# Allegro board A527_draft_V1_0.brd (continued)
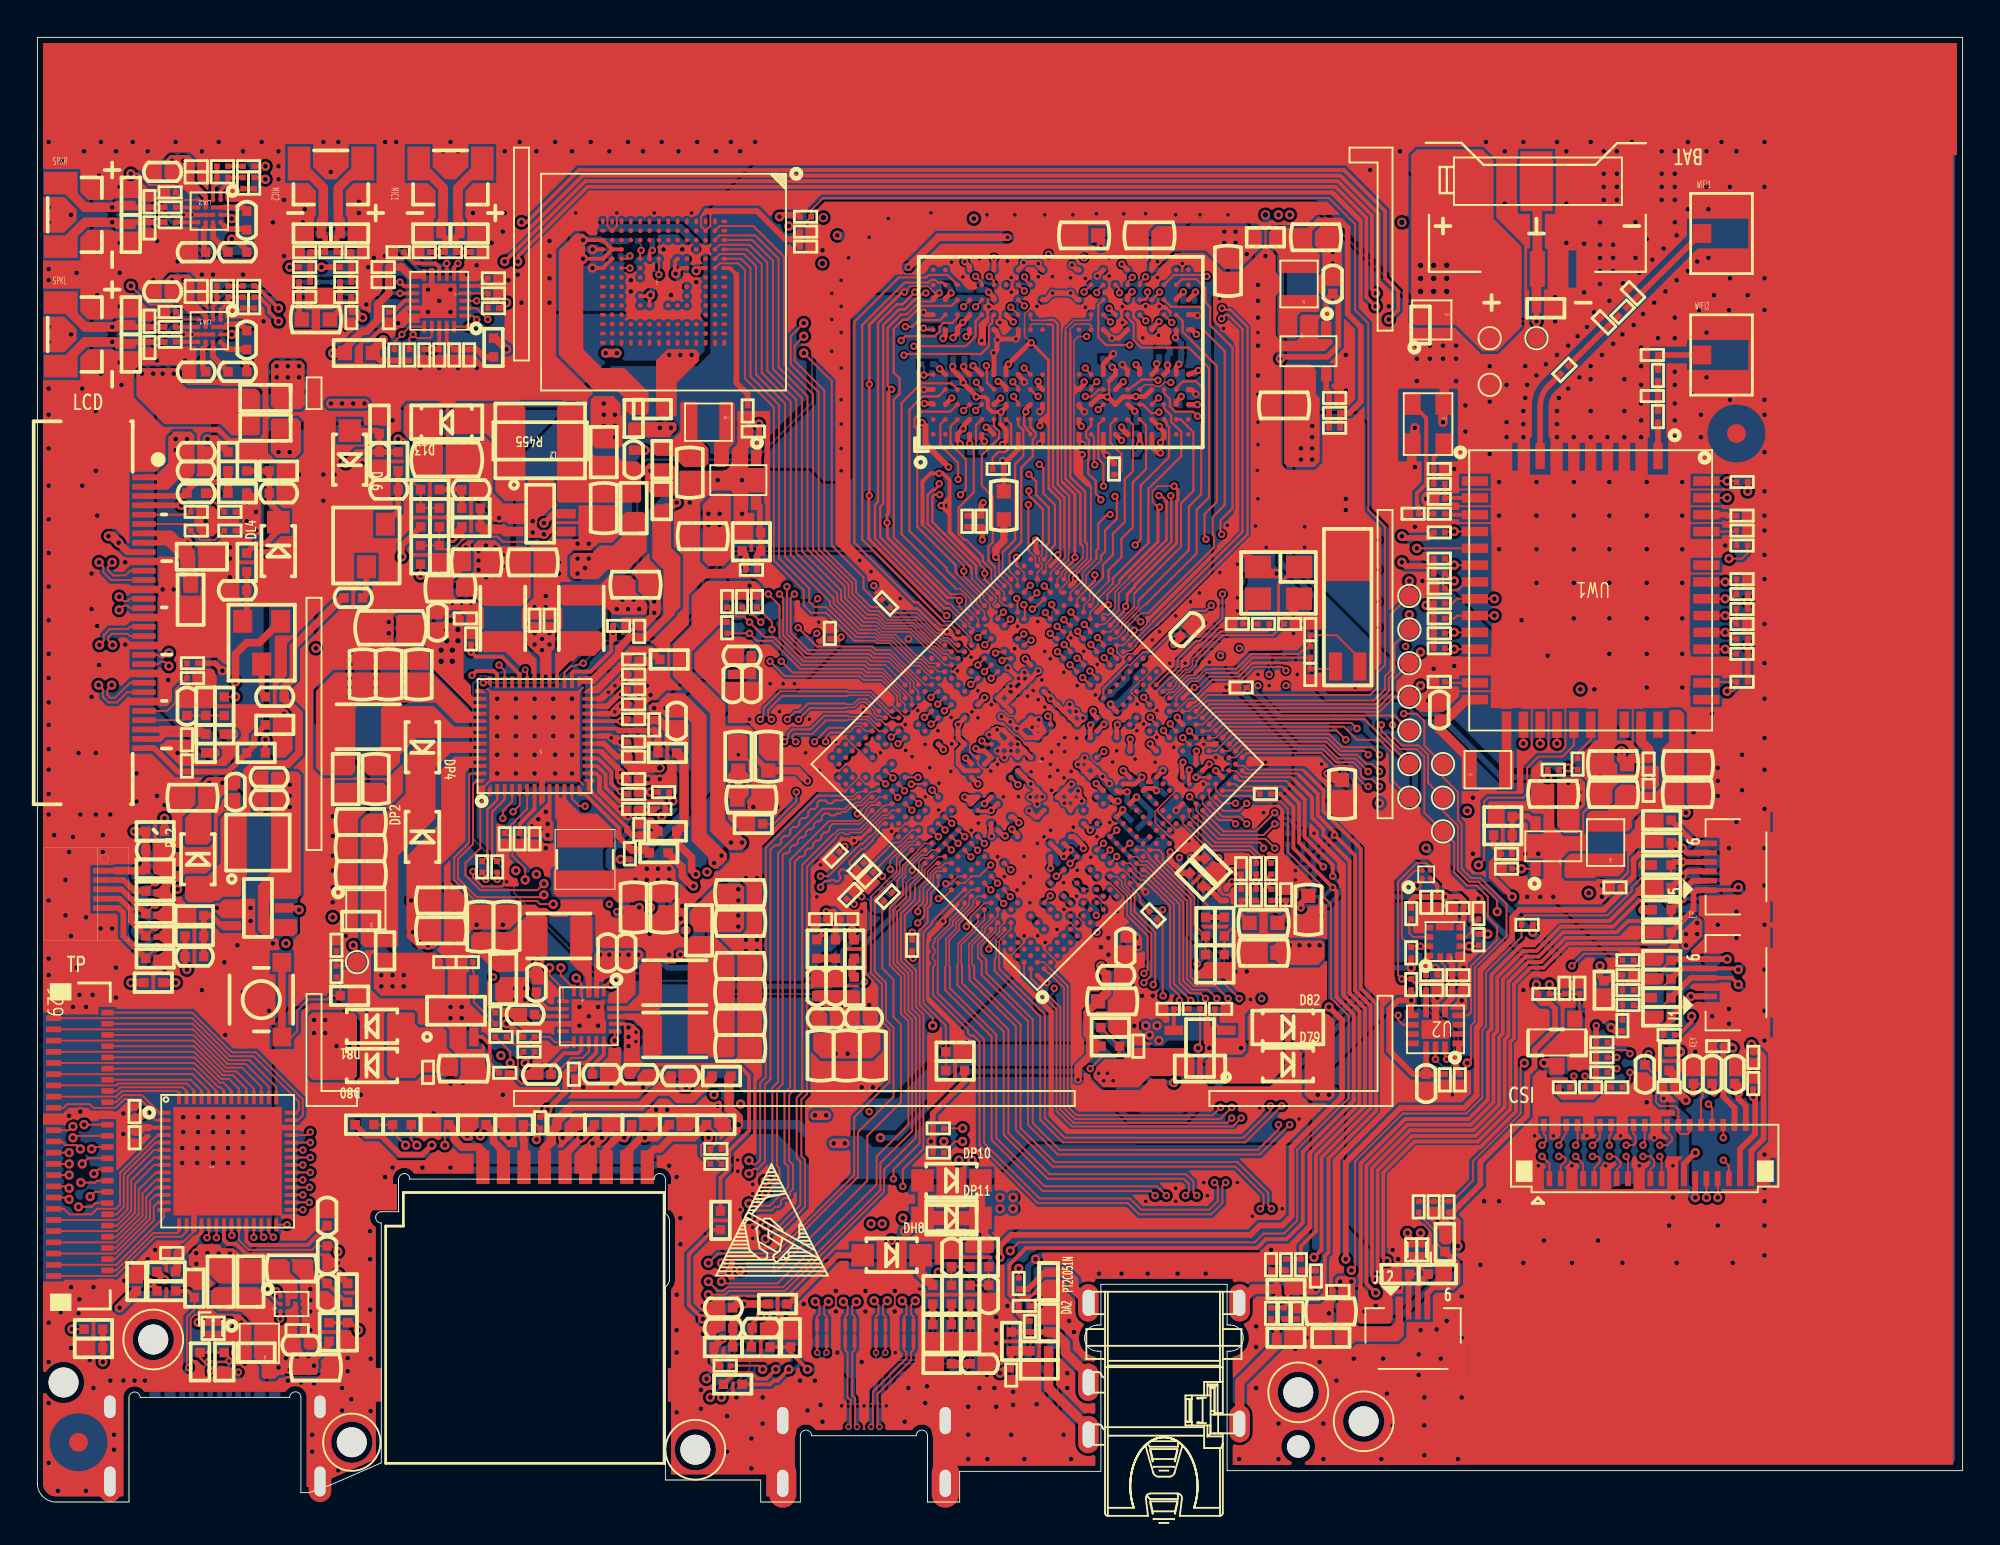
[diagram p0: board, top side]
## Routing (per net, layer and track width the routed paths; a pad name or vN(x,y) marks a point on that pad's centre or on a via; arc(x,y) is an arc through that point) (continued)
MCSI-RST-R: length 47.7
  TOP w0.1: v1(89.4,21.3) 89.6,21.1 89.6,20.19 JV1.32 ; v1(85.2,23) 85.2,22.6 RV4.2 ; U1.B1 54.09,28.3 54.15,28.3 54.93,27.52 54.93,21.09 55.52,20.5 63.27,20.5 v1(63.9,21.13)
  ART04 w0.1: v1(63.9,21.13) 65.57,22.8 81,22.8 81.7,23.5 83.6,23.5 84.3,22.8 85,22.8 v1(85.2,23) 85.6,22.6 89,22.6 89.3,22.3 89.3,21.4 v1(89.4,21.3)
MCSI-SCK: length 46.8
  TOP w0.1: v1(90.2,19.5) 90.19,19.51 JV1.34 ; RV6.2 v1(84.5,23.8) ; v1(54.19,32.45) 53.85,32.11 U1.G6
  ART04 w0.1: v1(90.2,19.5) 90.2,22.2 89.4,23 86.1,23 85.5,23.6 84.7,23.6 v1(84.5,23.8) 84.2,24.1 65.4,24.1 63.8,25.7 60.6,25.7 60.4,25.9 57.7,25.9 55.39,28.21 55.39,31.81 54.75,32.45 v1(54.19,32.45)
MCSI-SDA: length 50.4
  TOP w0.1: v1(90.2,18.3) 90.49,18.01 JV1.35 ; RV7.2 84.4,24.2 85,24.2 v1(85.2,24)
  TOP w0.114: U1.L7 54.57,33.5 v1(54.51,33.5)
  ART04 w0.1: v1(54.51,33.5) 54.51,32.99 55.61,31.89 55.61,28.29 57.8,26.1 60.48,26.1 60.68,25.9 63.91,25.9 65.51,24.3 84.9,24.3 v1(85.2,24) 85.4,24 86.19,23.21 89.49,23.21 90.4,22.3 90.4,20.1 90.7,19.8 90.7,18.8 v1(90.2,18.3)
MCSI-STBY-F: length 48.5
  TOP w0.1: U1.A3 52.79,28.11 54.53,26.37 54.53,20.93 55.35,20.1 63.95,20.1 v1(64.4,20.55) ; JV1.30 89,20.19 89,21.6 89.1,21.7 89.1,22.2 88.9,22.4 CV8.1 ; RV3.2 82.2,22.4 v1(82.2,22.8)
  TOP w0.3: v1(88.6,21.9) CV8.1
  ART04 w0.1: v1(88.6,21.9) 88.3,22.2 82.8,22.2 v1(82.2,22.8) 81.6,22.8 81.2,22.4 66.1,22.4 64.4,20.7 v1(64.4,20.55)
MCSI-STBY-R: length 53.7
  TOP w0.076: 54.15,28.6 53.85,28.89 U1.B2
  TOP w0.1: JV1.33 89.89,17.21 89.9,17.2 v2(89.9,16.3) ; v1(63.3,21.13) 62.87,20.7 55.6,20.7 55.13,21.17 55.13,27.62 54.15,28.6 ; v1(84.5,23.2) 84.2,23.2 RV5.2
  TOP w0.3: CV9.1 89.7,22.3 v1(89.7,21.9)
  ART04 w0.1: v2(89.9,16.3) 89.6,16.6 89.6,20.6 89.8,20.8 89.8,21.8 v1(89.7,21.9) 89.7,22.3 89.2,22.8 86,22.8 85.4,23.4 84.7,23.4 v1(84.5,23.2) 84,23.7 81.6,23.7 80.9,23 65.17,23 v1(63.3,21.13)
MCSIA-CKN: length 52.9
  TOP w0.076: 49.22,28.73 49.22,28.75 49.26,28.79 49.26,29.89 50.04,30.67 50.04,30.77 50.32,31.05 U1.A10
  TOP w0.1: 49.22,28.73 49.22,27.67 51.7,25.19 51.7,19.65 54.05,17.3 61.35,17.3 61.6,17.05 61.6,16.58 v1(61.43,16.41) ; JV1.14 84.19,19.69 84.1,19.6 v1(84.1,19.1)
  ART04 w0.1: v1(61.43,16.41) 62.08,15.75 64.75,15.75 65.25,16.25 75.22,16.25 76.27,15.2 82.5,15.2 84.55,17.25 84.55,18.65 v1(84.1,19.1)
MCSIA-CKP: length 53
  TOP w0.076: 49.47,28.73 49.47,28.75 49.43,28.79 49.43,29.83 50.2,30.6 50.2,30.7 50.67,31.17 U1.B10
  TOP w0.1: JV1.15 84.49,17.79 84.7,18 84.7,18.2 84.4,18.5 v1(84.1,18.5) ; v1(62.03,16.41) 61.85,16.58 61.85,17.15 61.45,17.55 54.15,17.55 51.95,19.75 51.95,25.29 49.47,27.77 49.47,28.73
  ART04 w0.1: v1(84.1,18.5) 84.3,18.3 84.3,17.35 84.16,17.21 84.01,17.21 83.87,17.07 83.87,16.93 83.35,16.4 83.2,16.4 83.06,16.26 83.06,16.11 82.92,15.97 82.77,15.97 82.63,15.83 82.63,15.68 82.4,15.45 79.18,15.45 79.03,15.6 78.83,15.6 78.68,15.45 78.48,15.45 78.33,15.6 78.13,15.6 77.98,15.45 77.78,15.45 77.63,15.6 77.43,15.6 77.28,15.45 77.08,15.45 76.93,15.6 76.73,15.6 76.58,15.45 76.37,15.45 75.32,16.5 65.15,16.5 64.65,16 62.18,16 62.03,16.16 v1(62.03,16.41)
MCSIA-D0N: length 55.5
  TOP w0.076: 49.61,32.08 49.61,31.95 48.81,31.15 48.81,30.94 48.01,30.14 48.01,29.98 47.9,29.88 47.9,29.68 48.01,29.57 48.01,29.38 47.9,29.27 47.9,29.07 48.01,28.96 48.01,28.89 48.01,28.7 47.94,28.63 47.93,28.63 47.92,28.63 47.92,28.62
  TOP w0.1: v1(83.2,18.5) 83.48,18.5 83.58,18.4 83.58,18.18 83.29,17.89 JV1.11 ; 47.92,28.62 47.92,27.13 49.79,25.26 49.79,25.11 49.93,24.97 50.08,24.97 50.4,24.65 50.4,19.11 53.51,16 58.35,16 58.95,15.4 62.8,15.4 63.4,16 63.4,16.93 v1(63.58,17.1)
  ART04 w0.1: v1(83.2,18.5) 83.2,17.35 82.56,16.72 82.42,16.72 82.29,16.85 82.11,16.85 82.01,16.75 82.01,16.56 82.14,16.43 82.14,16.29 82,16.15 81.8,16.15 81.65,16.3 81.5,16.3 81.35,16.15 79.46,16.15 78.41,17.2 64.95,17.2 64.45,16.7 63.73,16.7 63.58,16.86 v1(63.58,17.1)
MCSIA-D0P: length 55.5
  TOP w0.076: 48.17,28.62 48.17,28.8 48.17,30.07 48.97,30.87 48.97,31.08 49.86,31.97 49.86,32.32 U1.B12
  TOP w0.1: JV1.12 83.59,19.49 v1(83.2,19.1) ; v1(62.98,17.1) 63.15,16.93 63.15,16.1 62.7,15.65 59.05,15.65 58.45,16.25 53.61,16.25 50.65,19.21 50.65,24.75 48.17,27.23 48.17,28.62
  ART04 w0.1: v1(83.2,19.1) 83.5,18.8 83.6,18.5 83.6,18.3 83.45,18.15 83.45,17.25 82.1,15.9 79.36,15.9 78.31,16.95 65.05,16.95 64.55,16.45 63.63,16.45 v1(62.98,17.1)
MCSIA-D1N: length 51.8
  TOP w0.076: U1.B11 50.32,31.96 49.3,30.94 49.3,30.6 48.78,30.07 48.78,28.69 48.82,28.65 48.82,28.63
  TOP w0.1: v1(82.3,19.1) 82.4,19.2 82.4,20.18 JV1.8 ; 48.82,28.63 48.82,27.5 51.3,25.02 51.3,19.48 53.88,16.9 59.9,16.9 v1(60.4,16.4)
  ART04 w0.1: v1(82.3,19.1) 82.7,18.7 82.7,18.45 82.75,18.4 82.75,17.55 82.45,17.25 81.8,17.25 81.15,16.6 79.65,16.6 78.6,17.65 60.9,17.65 60.23,16.97 60.23,16.57 v1(60.4,16.4)
MCSIA-D1P: length 51.8
  TOP w0.076: 48.57,28.63 48.57,28.65 48.61,28.69 48.61,30.14 49.14,30.67 49.14,31.01 50.06,31.93 50.06,32.17 50.32,32.43 U1.C11
  TOP w0.1: 48.57,28.63 48.57,27.4 51.05,24.92 51.05,19.38 53.78,16.65 59.55,16.65 v1(59.8,16.4) ; v1(82.3,18.5) 82.69,18.11 JV1.9
  ART04 w0.1: v1(59.8,16.4) 59.98,16.57 59.98,17.08 60.8,17.9 78.7,17.9 79.75,16.85 81.05,16.85 81.7,17.5 82.35,17.5 82.5,17.65 82.5,18.3 v1(82.3,18.5)
MCSIB-D0N: length 43.7
  TOP w0.1: v1(81.4,18.5) 81.66,18.5 81.76,18.4 81.76,18.26 81.49,17.99 JV1.5 ; U1.E12 51.37,33.15 v1(51.37,33.12)
  ART04 w0.1: v1(81.4,18.5) 81.4,18.25 81.24,18.1 81.1,18.1 81.02,18.18 80.88,18.18 80.74,18.04 80.74,17.89 80.82,17.81 80.82,17.67 80.7,17.55 80.05,17.55 79.8,17.8 79.8,17.94 79.86,18 79.86,18.14 79.72,18.28 79.58,18.28 79.52,18.22 79.38,18.22 78.95,18.65 62.35,18.65 59.25,21.75 59.25,22.85 57.8,24.3 55.45,24.3 51.6,28.15 51.6,30.6 51.05,31.15 51.05,31.5 51.2,31.65 51.2,31.8 51.05,31.95 51.05,32.2 51.37,32.51 v1(51.37,33.12)
MCSIB-D0P: length 43.7
  TOP w0.1: v1(81.4,19.1) 81.79,19.79 JV1.6 ; U1.D12 50.67,33.1 v1(51.01,32.76)
  ART04 w0.1: v1(81.4,19.1) 81.8,18.7 81.8,18.3 80.8,17.3 79.95,17.3 78.85,18.4 62.25,18.4 59,21.65 59,22.75 57.7,24.05 55.35,24.05 51.35,28.05 51.35,30.5 50.8,31.05 50.8,32.3 51.01,32.51 v1(51.01,32.76)
MCSIB-D1N: length 38.9
  TOP w0.1: U1.E10 51.73,32.72 v1(52.05,32.4) ; JV1.2 80.59,19.71 80.7,19.6 80.7,19.3 v1(80.5,19.1)
  ART04 w0.1: v1(52.05,32.4) 52.05,32.04 52.3,31.8 52.3,31.6 52.4,31.5 52.4,31.2 52.3,31.1 52.3,30.8 52.4,30.7 52.4,30.4 52.3,30.3 52.3,28.45 55.8,24.95 58.25,24.95 59.9,23.3 59.9,22.15 62.7,19.35 79.45,19.35 79.98,18.82 80.23,18.82 v1(80.5,19.1)
MCSIB-D1P: length 38.9
  TOP w0.1: v1(51.7,32.04) 51.38,32.36 U1.D10 ; v1(80.5,18.5) 80.9,18.1 80.9,17.31 JV1.3
  ART04 w0.1: v1(51.7,32.04) 52.05,31.7 52.05,28.35 55.7,24.7 58.15,24.7 59.65,23.2 59.65,22.05 62.6,19.1 79.35,19.1 79.87,18.57 80.43,18.57 v1(80.5,18.5)
MCSIC-CKN: length 50.2
  TOP w0.076: 51.21,29.06 51.21,29.07 51.22,29.08 51.24,29.08 51.3,29.14 51.3,30.04 51.3,30.13 51.73,30.56 U1.B7
  TOP w0.1: 51.21,29.06 51.21,28.44 53.65,26 53.65,20.46 54.86,19.25 64.62,19.25 v1(66.58,21.21) ; v1(86.8,18.5) 86.89,18.41 JV1.23
  ART04 w0.1: v1(66.58,21.21) 66.73,21.05 67,21.05 67.15,21.2 67.85,21.2 68,21.05 85.3,21.05 85.95,20.4 86.85,20.4 87.5,19.75 87.5,18.99 87.2,18.69 86.99,18.69 v1(86.8,18.5)
MCSIC-CKP: length 50.2
  TOP w0.076: U1.C7 52.09,30.66 51.46,30.04 51.46,29.06
  TOP w0.1: v1(65.98,21.21) 65.98,20.96 64.52,19.5 54.96,19.5 53.9,20.56 53.9,26.1 51.46,28.54 51.46,29.06 ; JV1.24 87.19,19.81 87.45,19.55 87.45,19.35 87.2,19.1 v1(86.8,19.1)
  ART04 w0.1: v1(65.98,21.21) 66.38,20.8 67.1,20.8 67.25,20.95 67.75,20.95 67.9,20.8 85.2,20.8 85.85,20.15 85.97,20.15 86.07,20.05 86.07,20 86.17,19.9 86.37,19.9 86.47,20 86.47,20.05 86.57,20.15 86.75,20.15 87.25,19.65 87.25,19.1 87.1,18.94 86.96,18.94 v1(86.8,19.1)
MCSIC-D0N: length 54.4
  TOP w0.076: U1.B9 51.03,31.37 51.03,31.24 50.54,30.76 50.54,30.57 49.84,29.87 49.84,28.73
  TOP w0.1: JV1.20 85.99,19.19 v1(85.9,19.1) ; v1(65.43,15.7) 65.6,15.88 65.6,16.45 64.1,17.95 54.32,17.95 52.35,19.92 52.35,25.46 49.87,27.94 49.87,28.57 49.84,28.6 49.84,28.73
  ART04 w0.1: v1(85.9,19.1) 86.35,18.65 86.35,17.7 83.15,14.5 75.98,14.5 74.93,15.55 67.4,15.55 66.9,15.05 66.08,15.05 v1(65.43,15.7)
MCSIC-D0P: length 54.4
  TOP w0.076: 50.04,28.75 50,28.79 50,29.8 50.7,30.5 50.7,30.69 51.38,31.37 U1.C9
  TOP w0.1: JV1.21 86.29,17.79 86.5,18 86.5,18.3 86.3,18.5 v1(85.9,18.5) ; 50.04,28.75 50.12,28.67 50.12,28.04 52.6,25.56 52.6,20.02 54.42,18.2 64.2,18.2 65.85,16.55 65.85,15.88 v1(66.03,15.7)
  ART04 w0.1: v1(66.03,15.7) 66.03,15.45 66.18,15.3 66.8,15.3 67.3,15.8 75.03,15.8 76.08,14.75 83.05,14.75 83.48,15.18 83.48,15.38 83.62,15.52 83.82,15.52 83.96,15.66 83.96,15.86 84.11,16.01 84.31,16.01 84.45,16.15 84.45,16.35 84.59,16.49 84.79,16.49 84.93,16.63 84.93,16.83 85.07,16.97 85.27,16.97 85.41,17.11 85.41,17.31 85.55,17.45 85.75,17.45 86.1,17.8 86.1,18.3 v1(85.9,18.5)
MCSIC-D1N: length 48.8
  TOP w0.076: 50.32,29.21 50.32,29.83 51.03,30.53 U1.A8
  TOP w0.1: v1(67,20.2) 65.4,18.6 54.59,18.6 53,20.19 53,25.73 50.52,28.21 50.52,28.93 50.32,29.12 50.32,29.21 ; JV1.17 85.09,18.41 v1(85,18.5)
  ART04 w0.1: v1(67,20.2) 67.15,20.05 67.7,20.05 68,20.35 85,20.35 85.4,19.95 85.4,18.9 v1(85,18.5)
MCSIC-D1P: length 48.9
  TOP w0.076: U1.B8 51.28,30.91 51.28,30.55 50.48,29.76 50.48,29.34 50.53,29.29 50.53,29.27
  TOP w0.1: 50.53,29.27 50.77,29.03 50.77,28.31 53.25,25.83 53.25,20.29 54.69,18.85 65.3,18.85 66.4,19.95 v1(66.4,20.2) ; v1(85,19.1) 85.4,19.1 85.5,19.2 85.5,19.6 85.39,19.71 JV1.18
  ART04 w0.1: v1(66.4,20.2) 66.8,19.8 67.8,19.8 68.1,20.1 81.42,20.1 81.62,19.9 81.82,19.9 82.02,20.1 82.22,20.1 82.42,19.9 82.62,19.9 82.82,20.1 83.02,20.1 83.22,19.9 83.42,19.9 83.62,20.1 83.82,20.1 84.02,19.9 84.22,19.9 84.42,20.1 84.9,20.1 85.15,19.85 85.15,19.25 v1(85,19.1)
MIC1N-MIC: length 101.6
  TOP w0.2: v2(25,66.4) 29.3,70.7 69.58,70.7 71.4,68.88 71.4,64.9 v2(71.6,64.7) ; RA25.2 65.8,33 v1(65.8,33.2) 65.8,33.4 CA41.2
  TOP w0.3: CA43.1 v2(21.4,66.9) CA37.2 21.8,67.7 DA10.2
  TOP w0.5: JA4.4 21.7,70.35 JA4.2 21.7,68.6 21.6,68.5 DA10.2
  ART03 w0.2: v2(71.6,64.7) 71,64.1 71,62.75 71.7,62.05 71.7,52.77 71,52.07 71,43.42 70.58,43 69.87,43 68,41.13 68,37.1 68.7,36.4 68.7,35.5 67.8,34.6 67.8,33.1 67.5,32.8 66.2,32.8 v1(65.8,33.2) ; v2(21.4,66.9) 21.9,67.4 23.6,67.4 24.6,66.4 v2(25,66.4)
MIC1P-MIC: length 101
  TOP w0.2: RA23.2 v1(65.2,33.2) CA35.2 ; v2(25.7,66.4) 25.7,66.68 29.42,70.4 69.45,70.4 71.1,68.75 71.1,64.5 v2(71.6,64)
  TOP w0.3: DA11.2 22.4,67.7 CA37.1 v2(22.8,66.9) CA31.2
  TOP w0.5: DA11.2 22.6,68.5 22.5,68.6 JA4.1 22.5,70.35 JA4.3
  ART03 w0.2: v1(65.2,33.2) 65.9,32.5 67.62,32.5 68.1,32.98 68.1,34.48 69,35.38 69,36.52 68.3,37.22 68.3,41 70,42.7 70.7,42.7 71.3,43.3 71.3,51.95 72,52.65 72,62.18 71.3,62.88 71.3,63.7 v2(71.6,64) ; v2(22.8,66.9) 23,67.1 23.48,67.1 24.68,65.9 25.2,65.9 v2(25.7,66.4)
MIC2N-MIC: length 7.8
  TOP w0.3: DA12.2 15.4,67.7 CA39.2 CA44.1 CA42.2 RA26.2
  TOP w0.5: DA12.2 15.2,68.6 15.3,68.7 JA5.2 15.3,70.35 JA5.4
MIC2P-MIC: length 7.8
  TOP w0.3: DA13.2 16,67.7 CA39.1 CA34.2 CA36.2 RA24.2
  TOP w0.5: JA5.3 16.1,70.35 JA5.1 16.1,68.7 16.2,68.6 DA13.2
MICIN1N: length 5.2
  TOP w0.1: U1.AD1 62.85,35.1 64.93,35.1 65.43,34.6 65.6,34.6 CA41.1
MICIN1P: length 5.4
  TOP w0.076: 61.85,35.75 61.28,36.32 U1.AD2
  TOP w0.1: 61.85,35.75 62.7,34.9 64.85,34.9 65.2,34.55 CA35.1
MICIN2N: length 103.6
  TOP w0.1: v1(66.2,35) 65.7,35.5 63.16,35.5 U1.AE1
  TOP w0.3: CA42.1 v2(13.5,66.1)
  ART03 w0.2: v1(66.2,35) 66.6,35 67.4,35.8 67.4,41.43 70.4,44.43 70.4,52.32 71.1,53.02 71.1,61.8 70.4,62.5 70.4,64.72 71,65.32 71,69.49 68.59,71.9 37.91,71.9 37.61,71.6 20.61,71.6 15.61,66.6 14,66.6 v2(13.5,66.1)
MICIN2P: length 102.2
  TOP w0.076: U1.AE2 61.63,36.67 62,36.3
  TOP w0.1: v1(65.6,35) 65.6,35.1 65.4,35.3 63,35.3 62,36.3
  TOP w0.3: CA36.1 v2(15.2,66.1)
  ART03 w0.2: v2(15.2,66.1) 15.53,66.1 20.73,71.3 37.73,71.3 38.03,71.6 68.47,71.6 70.7,69.37 70.7,65.45 70.1,64.85 70.1,62.38 70.8,61.68 70.8,53.15 70.1,52.45 70.1,44.55 67.1,41.55 67.1,35.92 66.58,35.4 66,35.4 v1(65.6,35)
MICIN3N: length 6.7
  TOP w0.1: U1.AF1 62.48,36.88 63.46,35.9 65.2,35.9 v1(66.2,36.9)
  BOTTOM w0.2: v1(66.2,36.9) 66.5,36.6 66.9,36.6 CA4.1
MICIN3P: length 6.5
  TOP w0.076: U1.AF2 61.99,37.03 62.31,36.71
  TOP w0.1: 62.31,36.71 63.31,35.7 65.6,35.7 v1(66.2,36.3)
  BOTTOM w0.2: CA2.1 66.9,36.18 66.78,36.3 v1(66.2,36.3)
MIPI-DSI1-CKN: length 59.1
  TOP w0.1: U1.J30 45.76,40.95 v1(45.69,40.95) ; v2(4.03,45.88) 3.8,46.1 3.8,46.3 3.98,46.48 4.83,46.48 4.95,46.35 J11.18
  ART04 w0.1: v1(45.69,40.95) 45.58,40.84 45.29,40.84 45.13,41 44.93,41 44.78,40.84 44.58,40.84 44.42,41 44.22,41 44.06,40.84 43.81,40.84 43.25,41.4 37.95,41.4 35.05,44.3 35.05,49.2 33.85,50.4 33.26,50.4 28.96,54.7 19.04,54.7 11.26,46.92 6.43,46.92 6.29,46.79 6.15,46.79 6.09,46.85 5.95,46.85 5.81,46.71 5.81,46.57 5.87,46.51 5.87,46.37 5.73,46.23 5.58,46.23 5.51,46.3 5.36,46.3 5.22,46.16 5.22,46.02 5.3,45.94 5.3,45.8 4.8,45.3 3.91,45.3 3.75,45.46 3.75,45.6 v2(4.03,45.88)
MIPI-DSI1-CKP: length 59.2
  TOP w0.1: U1.J29 46.11,40.59 v1(46.04,40.59) ; v2(3.33,45.88) 3.55,46.1 3.55,46.4 3.87,46.73 4.83,46.73 4.95,46.85 J11.17
  ART04 w0.1: v2(3.33,45.88) 3.5,45.5 3.5,45.35 3.81,45.05 4.9,45.05 6.53,46.67 11.37,46.67 19.14,54.45 28.86,54.45 33.16,50.15 33.75,50.15 34.8,49.1 34.8,44.2 37.85,41.15 43.15,41.15 43.71,40.59 v1(46.04,40.59)
MIPI-DSI1-DN0: length 59.8
  TOP w0.076: 43.16,41.44 43.18,41.44 43.22,41.4 43.4,41.4 43.69,41.69 44.11,41.69 44.19,41.61 44.3,41.61 U1.G33
  TOP w0.1: J11.24 4.8,43.35 4.25,42.8 3.8,42.8 3.5,43.1 3.5,43.5 v2(3.28,43.73) ; 43.16,41.44 42.32,41.44 v1(41.58,40.69)
  ART04 w0.1: v1(41.58,40.69) 41.58,39.88 41.25,39.55 37.3,39.55 36.95,39.9 36.95,40.53 33.75,43.73 33.75,48.55 33.3,49 32.82,49 28.42,53.4 19.58,53.4 11.8,45.62 9.33,45.62 7.15,43.45 6.65,43.45 5.5,44.6 3.85,44.6 3.5,44.25 3.5,43.95 v2(3.28,43.73)
MIPI-DSI1-DN1: length 55.4
  TOP w0.076: U1.H32 44.89,41.62 44.46,42.05 43.39,42.05 43.35,42.09 43.33,42.09
  TOP w0.1: v1(39.98,40.69) 40.15,40.87 40.15,41.11 40.4,41.36 41.36,41.36 42.09,42.09 43.33,42.09 ; J11.21 6.45,44.85 6.57,44.98 6.81,44.98 v2(7.04,44.75)
  ART04 w0.1: v1(39.98,40.69) 40.15,40.52 40.15,40.35 40,40.2 38.2,40.2 34.4,44 34.4,48.85 33.55,49.7 33.04,49.7 28.69,54.05 19.31,54.05 11.53,46.27 6.72,46.27 6.25,45.8 6.25,45.25 6.53,44.98 6.81,44.98 v2(7.04,44.75)
MIPI-DSI1-DN2: length 55.4
  TOP w0.076: U1.J33 44.35,42.99 43.93,42.99 43.64,42.7 43.3,42.7 43.25,42.74 43.23,42.74
  TOP w0.1: v1(40.13,41.89) 40.53,42.3 40.78,42.3 41.22,42.74 43.23,42.74 ; J11.15 4.95,47.85 4.83,47.98 4.6,47.98 v2(4.38,47.75)
  ART04 w0.1: v2(4.38,47.75) 4.6,47.98 10.83,47.98 18.6,55.75 29.5,55.75 33.7,51.55 34.35,51.55 36.2,49.7 36.2,44.9 38,43.1 39.65,43.1 40.4,42.35 40.4,42.17 v1(40.13,41.89)
MIPI-DSI1-DN3: length 61.8
  TOP w0.076: U1.K32 45.6,42.33 44.58,43.35 43.37,43.35 43.33,43.39 43.31,43.39
  TOP w0.1: J11.12 3.95,49.35 3.53,49.77 3.53,50.08 v2(3.3,50.3) ; v1(38.68,41.89) 38.85,42.07 38.85,42.5 39.74,43.39 43.31,43.39
  ART04 w0.1: v1(38.68,41.89) 38.85,42.07 38.85,42.3 38.75,42.4 37.65,42.4 35.55,44.5 35.55,49.35 34.05,50.85 33.48,50.85 29.23,55.1 18.87,55.1 11.1,47.33 5.38,47.33 5,46.95 4,46.95 3.53,47.42 3.53,50.08 v2(3.3,50.3)
MIPI-DSI1-DP0: length 59.8
  TOP w0.076: U1.G32 44.31,41.27 44.05,41.53 43.76,41.53 43.46,41.24 43.22,41.24 43.18,41.19 43.16,41.19
  TOP w0.1: v1(42.18,40.69) 42.18,40.94 42.43,41.19 43.16,41.19 ; v2(3.98,43.73) 3.75,43.5 3.75,43.2 3.9,43.05 4.15,43.05 4.95,43.85 J11.23
  ART04 w0.1: v1(42.18,40.69) 41.83,40.34 41.83,39.77 41.35,39.3 37.2,39.3 36.7,39.8 36.7,40.43 33.5,43.63 33.5,48.45 33.2,48.75 32.72,48.75 28.32,53.15 19.68,53.15 11.91,45.38 9.43,45.38 7.25,43.2 6.55,43.2 5.4,44.35 5.22,44.35 5.08,44.2 4.92,44.2 4.77,44.35 4.62,44.35 4.47,44.2 4.33,44.2 4.17,44.35 3.95,44.35 3.75,44.15 3.75,43.95 v2(3.98,43.73)
MIPI-DSI1-DP1: length 55.3
  TOP w0.076: 43.33,41.84 43.35,41.84 43.39,41.89 44.4,41.89 45.01,41.27 U1.H31
  TOP w0.1: v1(40.58,40.69) 40.4,40.87 40.4,41.01 40.5,41.11 41.46,41.11 42.19,41.84 43.33,41.84 ; v2(7.04,45.45) 6.81,45.23 6.57,45.23 6.45,45.35 J11.20
  ART04 w0.1: v2(7.04,45.45) 6.81,45.23 6.63,45.23 6.5,45.35 6.5,45.7 6.83,46.02 7.42,46.02 7.55,45.9 7.72,45.9 7.85,46.02 8.02,46.02 8.15,45.9 8.32,45.9 8.45,46.02 8.62,46.02 8.75,45.9 8.92,45.9 9.05,46.02 11.64,46.02 19.41,53.8 28.59,53.8 32.94,49.45 33.45,49.45 34.15,48.75 34.15,43.9 38.1,39.95 40.1,39.95 40.4,40.25 40.4,40.52 v1(40.58,40.69)
MIPI-DSI1-DP2: length 55.5
  TOP w0.076: U1.J32 45.1,42.08 44.91,42.08 44.77,42.23 44.77,42.35 44.29,42.83 44,42.83 43.71,42.54 43.3,42.54 43.25,42.49 43.23,42.49
  TOP w0.1: J11.14 4.95,48.35 4.83,48.23 4.6,48.23 v2(4.38,48.45) ; v1(40.73,41.89) 41.32,42.49 43.23,42.49
  ART04 w0.1: v1(40.73,41.89) 40.65,42.2 40.65,42.45 39.75,43.35 38.1,43.35 36.45,45 36.45,49.8 34.45,51.8 33.8,51.8 29.6,56 18.5,56 10.73,48.23 4.6,48.23 v2(4.38,48.45)
MIPI-DSI1-DP3: length 61.8
  TOP w0.076: U1.K31 45.72,41.97 44.51,43.19 43.37,43.19 43.33,43.14 43.31,43.14
  TOP w0.1: v2(4,50.3) 3.78,50.08 3.78,49.88 4.05,49.6 4.7,49.6 4.95,49.85 J11.11 ; v1(39.28,41.89) 39.1,42.07 39.1,42.4 39.84,43.14 43.31,43.14
  ART04 w0.1: v2(4,50.3) 3.78,50.08 3.78,49.83 3.9,49.71 3.9,49.53 3.78,49.41 3.78,49.23 3.93,49.07 3.93,48.83 3.78,48.67 3.78,47.52 4.1,47.2 4.9,47.2 5.28,47.58 10.99,47.58 18.77,55.35 29.33,55.35 33.58,51.1 34.15,51.1 35.8,49.45 35.8,44.6 37.75,42.65 38.85,42.65 39.1,42.4 39.1,42.07 v1(39.28,41.89)
OVP-INT: length 51.8
  TOP w0.1: v2(20.3,19.1) 20,19.4 RP83.1
  TOP w0.114: 49.61,34.9 49.61,34.87 v1(49.95,34.53)
  ART03 w0.1: v2(20.3,19.1) 21.4,20.2 24,20.2 25.45,21.65 27.45,21.65 27.9,21.2 31.72,21.2 32.84,20.08 34.72,20.08 35.7,19.1 36.1,19.1 36.58,19.58 38.75,19.58 38.83,19.5 40.4,19.5 42,17.9 48.1,17.9 49,18.8 49.5,18.8 v2(50,18.3)
  ART04 w0.1: v1(49.95,34.53) 49.6,34.19 49.6,32 49.3,31.7 49.3,20.9 50,20.2 v2(50,18.3)
PA-SHDN: length 107.3
  TOP w0.1: UA2.A4 7.8,69.7 RA11.2 7.4,70.4 7.3,70.5 6,70.5 5.4,71.1 v2(5,71.1) ; UA1.A4 7.8,63.3 RA12.2 7.4,63.9 7.2,64.1 6,64.1 v2(5,65.1) ; U1.G12 51.73,34.19 v1(52.08,33.84)
  ART03 w0.1: v2(5,65.1) v2(5,71.1) ; v2(13.3,29.9) 16.2,29.9 16.7,29.4 19.2,29.4 20,28.6 23.7,28.6 23.9,28.8 25,28.8 25.52,29.32 28.85,29.32 29.63,30.1 32.48,30.1 33,29.58 33,28.92 34.22,27.7 43.6,27.7 44.2,28.3 44.8,28.3 46.4,29.9 47.2,29.9 47.9,30.6 47.9,31.1 50.1,33.3 51.08,33.3 51.59,33.81 52.05,33.81 v1(52.08,33.84)
  ART04 w0.1: v2(13.3,29.9) 15.15,31.75 15.15,38.55 11.9,41.8 3.1,41.8 2,42.9 2,52.7 5,55.7 v2(5,65.1)
PA-VDD: length 5.1
  TOP w0.2: UA1.B3 UA1.A3 9,63.5 8.2,64.3 CA14.1 CA13.1 ; UA2.B3 UA2.A3 9,69.9 8.2,70.7 CA17.1 CA9.1
  vias: v2(5.6,60.4) v2(6.2,60.4) v2(6.7,60.4) v2(7.2,71.8) v2(7.2,65.4) v2(7.3,60.4) v2(7.8,71.8) v2(7.8,71.2) v2(7.8,65.4) v2(7.8,64.8)
PCIE-REXT: length 8
  TOP w0.1: v1(48.56,35.98) 48.22,36.32 U1.E20 ; R15.2 43.41,32.29 v1(43.7,32)
  ART03 w0.1: v1(43.7,32) 44.78,32 46.2,33.42 46.2,34.2 47.98,35.98 v1(48.56,35.98)
PLLTEST: length 9
  TOP w0.076: 59.15,45.5 58.45,44.8 58.3,44.8
  TOP w0.1: v1(62.8,48) 62.5,47.7 61.8,47.7 59.6,45.5 59.15,45.5 ; U1.AG17 57.04,43.54 58.3,44.8
  BOTTOM w0.1: TP6.1 v1(62.8,48)
PMU-SCK: length 84.2
  TOP w0.1: v2(27.1,32.5) 26.98,32.38 23.51,32.38 22.5,33.38 22.5,34.42 23.3,35.22 23.3,38.4 23.5,38.6 UP1.52 ; v1(70.6,41.4) 70.3,41.7 63.48,41.7 U1.AN6 ; UP8.6 28.11,27.49 27.4,28.2 v2(27.4,28.6)
  ART03 w0.1: v2(27.4,28.6) 27.8,28.2 28.3,28.2 29.8,29.7 32.32,29.7 32.6,29.41 32.6,28.7 34,27.3 45,27.3 45.35,26.95 56.95,26.95 59.8,29.8 65.6,29.8 66.23,29.17 68.86,29.17 69.4,29.72 69.4,31.42 70.8,32.82 70.8,36.3 71.2,36.7 71.2,37.5 70.5,38.2 70.5,40.7 70.6,40.8 v1(70.6,41.4)
  ART04 w0.1: v2(27.1,32.5) 26.9,32.3 26.9,29.33 27.4,28.83 v2(27.4,28.6)
  BOTTOM w0.1: RP5.2 v1(70.6,41.4)
PMU-SDA: length 82.6
  TOP w0.1: UP1.51 23.2,39 23.1,38.9 23.1,35.3 22.3,34.5 22.3,33.3 23.42,32.18 26.72,32.18 26.9,32 v2(27.6,32) ; U1.AN5 63.79,41.3 69.5,41.3 v1(70,40.8) ; UP8.5 28.7,27.5 28,28.2 v2(28,28.6)
  ART03 w0.1: v1(70,40.8) 70.3,40.5 70.3,38.1 71,37.4 71,36.8 70.6,36.4 70.6,32.9 69.2,31.5 69.2,29.8 68.77,29.37 66.31,29.37 65.68,30 59.72,30 56.87,27.15 45.45,27.15 45.1,27.5 34.1,27.5 32.8,28.8 32.8,29.5 32.4,29.9 29.72,29.9 28.42,28.6 v2(28,28.6)
  ART04 w0.1: v2(28,28.6) 28,28.7 27.3,29.4 27.3,31.7 v2(27.6,32)
  BOTTOM w0.1: RP6.2 v1(70,40.8)
POWKEY: length 4.7
  TOP w0.3: J1.2 v2(88.46,27.06) D6.2 87.4,25.8 87,25.4 R20.2
  BOTTOM w0.3: v2(88.46,27.06) 88.5,27.1 TP16.1
PS: length 56.1
  TOP w0.2: 31.63,24.17 32.4,23.4 ; 32.4,23.4 37.5,23.4 38.08,22.82 38.08,19.88 37,18.8 37,17.8 36.55,17.35 RP14.1 ; 32.4,23.4 32.2,23.4 32.03,23.23 ; UP8.17 31.43,25.6 v2(31.63,25.4) ; v1(31.6,36.7) 31.54,36.64 31.44,36.64 30.05,38.02 30.05,38.85 ; 30,43 UP1.25 ; UP1.15 29.9,39 30.05,38.85 ; UP8.2 29.9,28.2 30.1,28.4 ; 31.5,27.1 31.2,26.8 UP8.20 ; 30.05,38.85 30.1,38.8 30.1,38.1 31.1,37.1 v1(31.2,37.1) ; UP1.20 30,41
  TOP w0.3: 30.25,43.15 30.1,43 ; 30.25,43.15 30.35,43.15 ; 30.25,43.15 30.45,43.35 v1(30.55,43.35) 30.35,43.15 ; 30.1,43 30,43 ; 30.1,43 30.2,43 30.35,43.15 ; v1(31.2,37.1) CP26.1 v1(31.6,36.7) ; v1(30.7,40.9) 30.9,40.7 v2(31.2,40.7) ; v1(30.7,40.9) 31,40.9 v2(31.2,40.7) ; v1(30.7,40.9) 30.6,41 30,41 ; CP33.1 v2(31.2,40.7)
  TOP w0.4: v1(32.03,24.65) 31.88,24.65 v2(31.63,24.4) 31.77,24.4 v1(32.03,24.65) ; v1(32.03,24.65) 32.03,23.23 31.77,22.97 ; v1(32.03,24.65) v1(32.03,25.15) ; v1(32.03,25.15) 31.77,25.4 v2(31.63,25.4) 31.88,25.15 v1(32.03,25.15) ; v1(30.55,43.35) v1(30.9,43.7) v1(31.25,44.05) 31.5,44.3 CP34.1 ; CP139.1 30.3,28.7 30.1,28.5 30.1,28.4 ; v1(31.6,36.7) v1(31.2,37.1) ; CP145.1 31.5,27.1
  TOP w0.5: v2(31.63,25.4) v2(31.63,24.9) v2(31.63,24.4) 31.63,22.97 CP146.1 31.77,22.97 31.77,24.4 ; RV12.1 v2(87.9,24.1) ; v2(88.8,30.4) v2(88.2,29.8) v2(88.2,30.4) v2(88.8,31) v2(88.8,30.4)
  ART03 w2: 5.4,57.7 6.7,59 8.8,59
  BOTTOM w0.5: 87.4,28.2 86.6,29 ; 87.4,28.2 87.4,29.2 ; 87.4,28.2 87.4,24.6 v2(87.9,24.1)
  vias: v1(26.45,36.2) v1(26.95,36) v2(12.8,60.8) v2(12.8,60.2) v2(13.4,60.8) v2(13.4,60.2) v2(14,60.8) v2(14,60.2) v2(26.6,46.5) v2(26.6,45.9) v2(26.8,36.55) v2(27,46.2) v2(27,45.6) v2(27.2,36.95) v2(27.3,36.3) v2(27.3,35.7) v2(27.4,46.5) v2(27.4,45.9) v2(28.9,50.5) v2(28.9,49.7) v2(29.3,50) v2(29.5,50.5) v2(30.1,29.3) v2(30.6,29.3) v2(31,28.8) v2(31.1,29.3) v2(31.63,29.3) v2(32.15,29.3) v2(35.9,52.9) v2(35.9,52.3) v2(36.5,52.9) v2(36.5,52.3) v2(67.6,56.4) v2(67.6,55.8) v2(68.2,57.6) v2(68.2,57) v2(68.2,56.4) v2(68.2,55.8) v2(81.9,38.5) v2(82.4,38.5) v2(82.5,38) v2(82.5,37.4) v4(16.7,44.1) v4(16.7,43.6) v4(16.7,43.1) v4(18.1,44.1) v4(18.1,43.6) v4(18.1,43.1) v4(19.6,44.1) v4(19.6,43.6) v4(19.6,43.1)
PS-EINT: length 47
  TOP w0.076: 47.2,32.44 47.2,32.9 47.63,33.33 47.63,33.75 48.08,34.2 U1.B17
  TOP w0.1: v1(46.3,16.9) 46.3,17.8 47.4,18.9 47.4,26.1 47,26.5 47,28.47 46.4,29.07 46.4,31.4 47.2,32.2 47.2,32.44 ; R31.1 38.6,7.3 v2(38.8,7.1)
  ART03 w0.1: v2(38.8,7.1) 36.7,7.1 35.2,8.6 35.2,17 37.18,18.98 38.5,18.98 38.59,18.9 40.1,18.9 41.7,17.3 45.2,17.3 45.6,16.9 v1(46.3,16.9)
  BOTTOM w0.1: v2(38.8,7.1) 39.07,7.37 U6.2
PWRON: length 86.9
  TOP w0.1: v2(26.1,33.3) 26.1,33.9 25.4,34.6 25.4,35.6 25.3,35.7 25.1,35.7 CP1.1 25.1,35.9 25.1,36 26.2,37.1 UP1.6
  TOP w0.2: v2(88.5,26) 88.5,25.7 87.8,25 R20.1
  ART03 w0.1: v2(88.5,26) 87,26 86.5,26.5 83.8,26.5 82.47,25.17 74.07,25.17 73.6,24.7 66.77,24.7 66.59,24.53 65.2,24.53 64.57,23.9 61.5,23.9 59,21.4 46.45,21.4 45.5,20.45 44.15,20.45 43,21.6 39.6,21.6 38.95,22.25 35.35,22.25 34.9,21.8 28.15,21.8 27.7,22.25 26.45,22.25 25.98,22.72 25.3,22.72 24.8,23.22 v2(24.8,23.9)
  ART04 w0.1: v2(24.8,23.9) 25,23.9 26.6,25.5 26.6,27.6 25.6,28.6 25.6,29.9 25.8,30.1 25.8,32.68 26.1,32.98 v2(26.1,33.3)
RESET-KEY: length 6.3
  TOP w0.1: R19.2 85.9,28.5 86.9,28.5 D5.2
  TOP w0.3: D5.2 87.46,29.06 J1.6 v2(90.4,29.06)
  BOTTOM w0.3: v2(90.4,29.06) 90.36,29.1 TP20.1
RX00: length 8.8
  TOP w0.1: UL3.4 6.44,19.64 4.42,17.62 4.42,15.92 4.2,15.7 3.2,15.7 2.9,15.4 1.7,15.4 1.4,15.7 J29.37
RX01: length 5.6
  TOP w0.1: UL3.5 6.33,19.24 4.62,17.54 4.62,15.8 4.23,15.4 J29.38
RX02: length 8.5
  TOP w0.1: UL3.6 6.24,18.84 4.82,17.42 4.82,15.66 4.27,15.1 J29.39
RX03: length 5.5
  TOP w0.1: UL3.7 6.24,18.44 5.02,17.22 5.02,15.57 4.25,14.8 J29.40
RX04: length 8.3
  TOP w0.1: UL3.8 6.24,18.04 5.22,17.02 5.22,15.49 4.23,14.5 J29.41
RX05: length 5.2
  TOP w0.1: J29.42 4.22,14.2 5.42,15.41 5.42,16.72 6.34,17.64 UL3.9
RX06: length 8
  TOP w0.1: UL3.10 6.34,17.24 5.62,16.52 5.62,15.32 4.2,13.9 J29.43
RX07: length 5
  TOP w0.1: UL3.11 6.34,16.84 5.82,16.32 5.82,15.24 4.18,13.6 J29.44
RX08: length 7.8
  TOP w0.1: UL3.12 6.34,16.44 6.02,16.12 6.02,15.16 4.17,13.3 J29.45
RX09: length 4.7
  TOP w0.1: J29.46 4.15,13 6.22,15.08 6.22,15.82 6.44,16.04 UL3.13
RX10: length 7.4
  TOP w0.1: UL3.14 6.78,15.25 4.23,12.7 J29.47
RX11: length 5
  TOP w0.1: UL3.15 7.58,14.5 7.48,14.4 6.21,14.4 4.21,12.4 J29.48
RX12: length 8.5
  TOP w0.1: J29.49 4.19,12.1 6.29,14.2 7.7,14.2 7.98,14.48 UL3.16
RX13: length 12.4
  TOP w0.1: J29.36 3.1,16 2.9,15.8 v2(2.2,15.8) ; UL3.25 v1(11.58,14.17)
  ART03 w0.1: v1(11.58,14.17) 10.83,14.92 3.08,14.92 v2(2.2,15.8)
RX14: length 12.9
  TOP w0.1: v2(1.7,16.2) 1.6,16.3 J29.35 ; v1(12.1,14.17) 11.98,14.3 UL3.26
  ART03 w0.1: v2(1.7,16.2) 2.4,16.2 3.48,15.12 11.28,15.12 12.1,14.3 v1(12.1,14.17)
RX15: length 12.5
  TOP w0.1: UL3.27 12.38,14.42 v1(12.63,14.17) ; J29.34 3.08,16.6 v2(2.83,16.35)
  ART03 w0.1: v2(2.83,16.35) 2.83,16.34 3.85,15.32 11.48,15.32 v1(12.63,14.17)
RX16: length 14
  TOP w0.1: v2(1.7,16.8) 1.6,16.9 J29.33 ; UL3.28 v1(13.36,14.84)
  ART03 w0.1: v2(1.7,16.8) 1.8,16.7 2.5,16.7 2.55,16.75 3.03,16.75 4.26,15.52 12.68,15.52 v1(13.36,14.84)
RX17: length 14.6
  TOP w0.1: v2(2.32,17.1) 3.1,17.1 3.2,17.2 J29.32 ; UL3.29 v1(14.2,15.64)
  ART03 w0.1: v2(2.32,17.1) 2.47,16.95 3.11,16.95 4.34,15.72 14.13,15.72 v1(14.2,15.64)
RX18: length 15.3
  TOP w0.1: J29.31 v2(1.7,17.5) ; UL3.30 v1(14.54,16.04)
  ART03 w0.1: v1(14.54,16.04) 14.06,16.04 13.93,15.92 4.42,15.92 3.19,17.15 2.85,17.15 2.5,17.5 v2(1.7,17.5)
RX19: length 13.3
  TOP w0.1: J29.30 3.25,17.8 v2(3.02,17.58) ; UL3.31 v1(14.2,16.44)
  ART03 w0.1: v2(3.02,17.58) 3.12,17.58 4.58,16.12 13.62,16.12 13.94,16.44 v1(14.2,16.44)
RX20: length 15.9
  TOP w0.1: J29.29 v2(1.7,18.1) ; UL3.32 v1(14.56,16.84)
  ART03 w0.1: v2(1.7,18.1) 2.1,17.7 2.58,17.7 2.88,18 3.2,18 4.88,16.32 13.53,16.32 14.06,16.84 v1(14.56,16.84)
RX21: length 14.9
  TOP w0.1: UL3.33 v1(14.19,17.24) ; J29.28 2.7,18.4 v2(2.4,18.1)
  ART03 w0.1: v1(14.19,17.24) 14.18,17.24 13.45,16.52 4.97,16.52 3.28,18.2 2.5,18.2 v2(2.4,18.1)
RX22: length 16
  TOP w0.1: J29.27 v2(1.7,18.7) ; UL3.34 v1(14.6,17.64)
  ART03 w0.1: v2(1.7,18.7) 1.9,18.5 3.32,18.5 5.1,16.72 13.12,16.72 14.04,17.64 v1(14.6,17.64)
RX23: length 14.1
  TOP w0.1: J29.26 3,19 v2(2.9,18.9) ; UL3.35 v1(14.2,18.04)
  ART03 w0.1: v1(14.2,18.04) 14.16,18.04 13.03,16.92 5.28,16.92 3.3,18.9 v2(2.9,18.9)
RX24: length 16.5
  TOP w0.1: J29.25 1.3,19.3 1.5,19.1 2.1,19.1 v2(2.3,18.9) ; UL3.36 v1(14.6,18.44)
  ART03 w0.1: v1(14.6,18.44) 14.09,18.44 12.77,17.12 5.48,17.12 3.3,19.3 2.7,19.3 v2(2.3,18.9)
RX25: length 16.4
  TOP w0.1: v2(1.9,19.5) 2,19.6 J29.24 ; UL3.37 v1(14.2,18.84)
  ART03 w0.1: v1(14.2,18.84) 14.2,18.83 12.68,17.32 5.57,17.32 3.31,19.57 1.97,19.57 v2(1.9,19.5)
RX26: length 16.6
  TOP w0.1: v2(1.9,20.1) 1.7,19.9 J29.23 ; UL3.38 v1(14.6,19.24)
  ART03 w0.1: v2(1.9,20.1) 2.23,19.77 3.39,19.77 5.65,17.52 12.37,17.52 14.09,19.24 v1(14.6,19.24)
RX27: length 16.3
  TOP w0.1: v1(14.6,19.8) 14.44,19.64 UL3.39 ; J29.22 v2(2.5,20.2)
  ART03 w0.1: v1(14.6,19.8) 14.37,19.8 12.29,17.73 5.72,17.73 3.25,20.2 v2(2.5,20.2)
SAA0: length 9.3
  TOP w0.076: 51.64,50.85 51.64,49.84 U1.AJ33
  TOP w0.114: UD1.H2 52.48,57.64 52.75,57.37 52.75,56 52.31,55.56 52.31,51.51 51.64,50.85
